# Altium PCB FisioV2.2.PcbDoc
Units mil, origin at the board's own origin, x right, y up, seen from the top; angles counter-clockwise.
Board outline 3896 x 2012 mil, 2 copper layers (Top Layer, Bottom Layer); 128 components, 115 nets, 510 pads, 76 vias.
Unrouted connection lines stored in the file: 5.
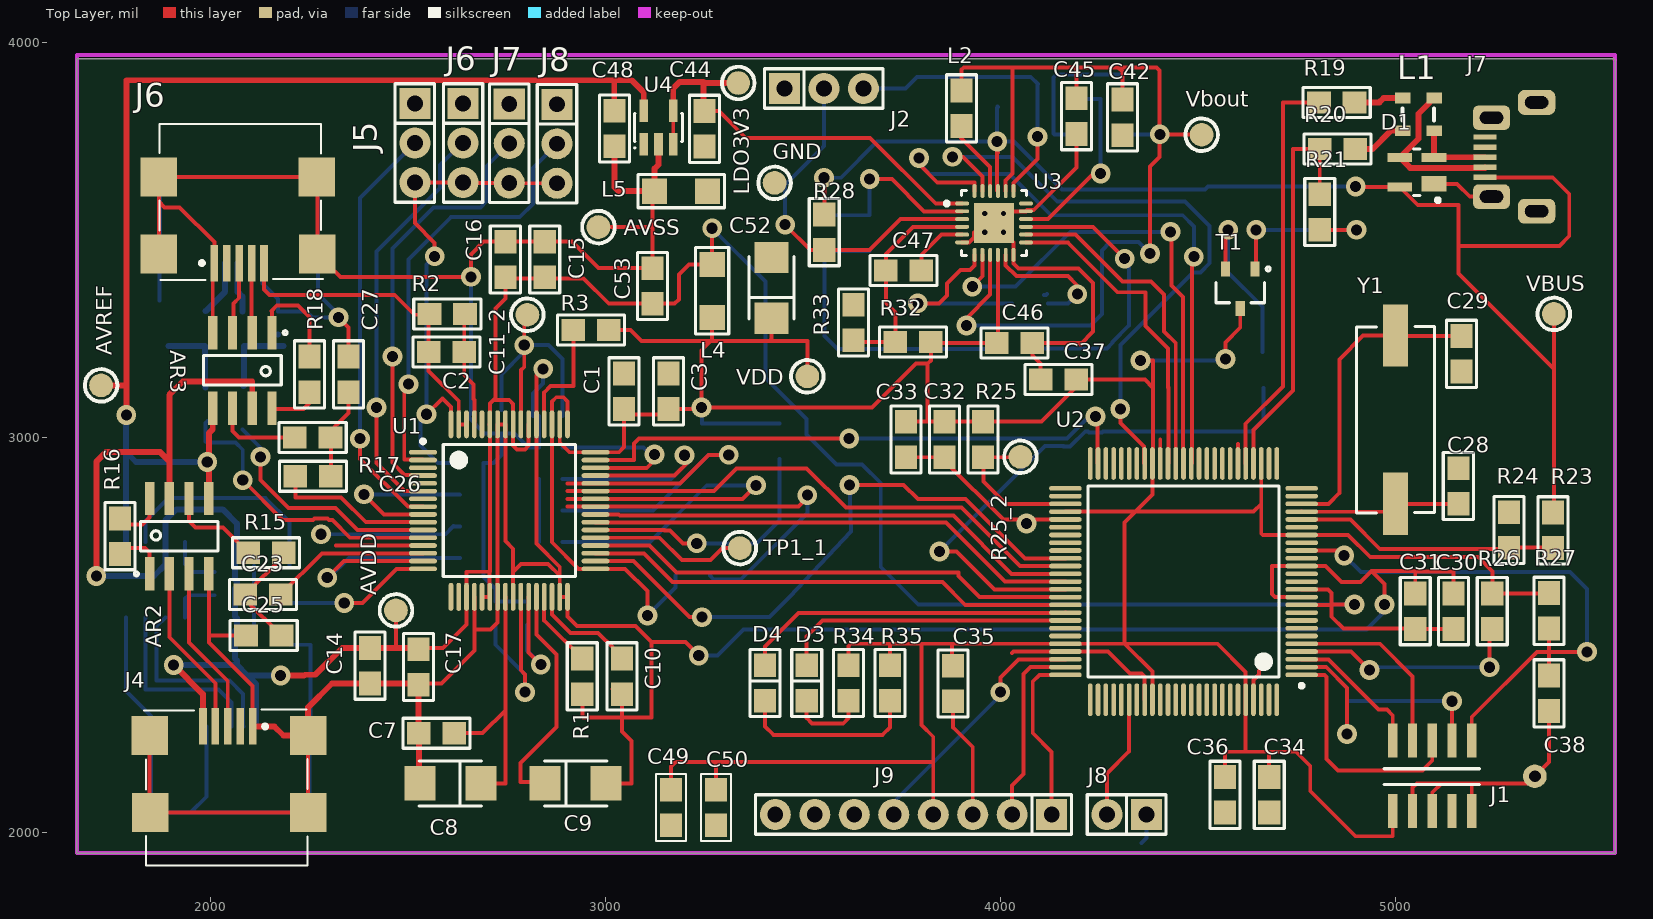
[diagram p0: Top Layer view]
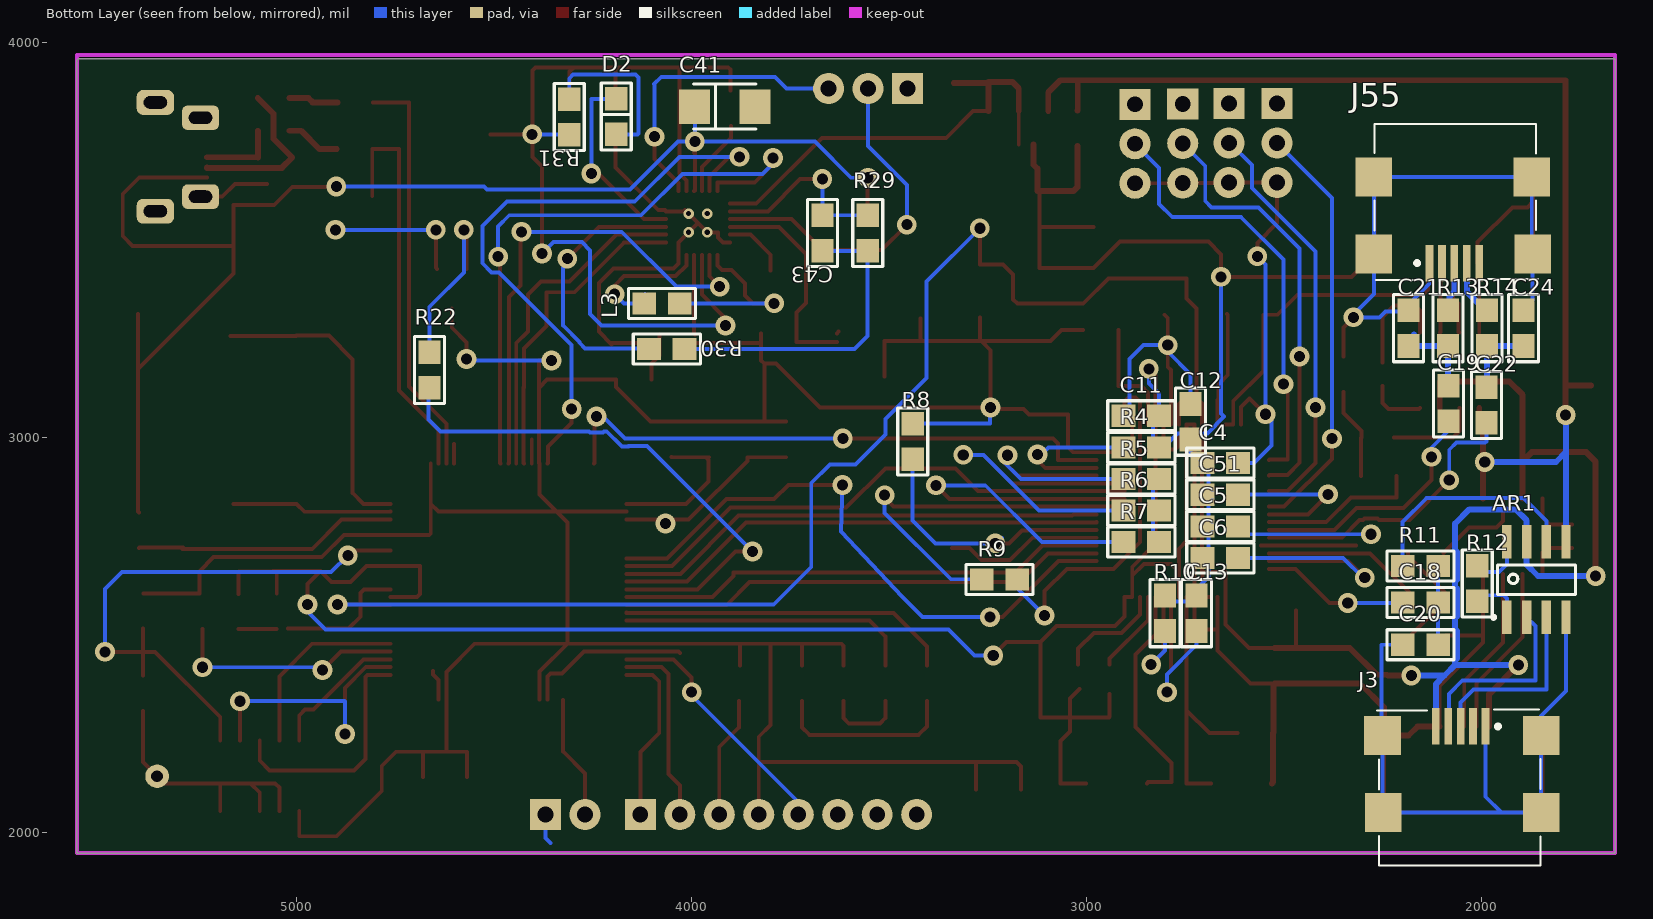
[diagram p1: Bottom Layer view, seen from below]

## Layer stack, top to bottom
Top Solder: solder mask 0.4, Solder Resist, Dk 3.5
Top Layer: signal copper 1.4
Dielectric1: dielectric 12.6, FR-4, Dk 4.8
Bottom Layer: signal copper 1.4
Bottom Solder: solder mask 0.4, Solder Resist, Dk 3.5

## Board outline
1661,1947 1661,3959 5554,3959 5557,3956 5557,1947

## Design rules (kind name [scope] priority, off if disabled: settings)
Clearance [All] p1: gap=10
ComponentClearance [All] p1: gap=0 collisioncheckmode=3 verticalgap=0 showdistances=FALSE
DiffPairsRouting [All] p1: maxlimit=10 minlimit=10 mostfreqgap=10 toplayer_minwidth=10 toplayer_maxwidth=15 toplayer_prefwidth=15 bottomlayer_minwidth=10 bottomlayer_maxwidth=15 bottomlayer_prefwidth=15 maxuncoupledlength=500
PolygonConnect [All] p1: connectstyle=Relief reliefconductorwidth=10 reliefentries=4 polygonreliefangle="90 Angle" airgapwidth=10
RoutingVias [All] p1: holewidth=28 width=50 viastyle="Through Hole" minholewidth=28 minwidth=50 maxholewidth=28 maxwidth=50
SilkToSolderMaskClearance SilkscreenOverComponentPads [IsPad] p1: minsilkscreentomaskgap=10 clearancetoexposedcopper=TRUE
SolderMaskExpansion [All] p1: expansion=4
Width [All] p1: maxlimit=30 minlimit=10 preferedwidth=15
27 further rules are at their usual default settings.

## Classes and differential pairs
component class TopSheet: J2 J3 J4 J6 J7 J8 J55
component class Supply: C28 C29 C30 C31 C32 C33 C34 C35 C36 C37 C38 J1 R26 R27 Y1
component class "Power Supply": AVDD AVREF AVSS C41 C42 C43 C44 C45 C46 C47 C48 C52 C53 D2 GND L2 L3 L4 L5 LDO3V3 R28 R29 R30 R31 R32 R33 TP4 TP5 TP6 TP7 TP8 TP9 TP10 TP11 U3 U4 Vbout VBUS VDD
component class Peripherials: D3 D4 R23 R24 R25 R25_2 R34 R35 TP3 U2
component class Microcontroller: D1 L1 R19 R20 R21 R22 T1
component class Bluetooth: C49 C50 J9
component class AFE: AR1 AR2 AR3 C18 C19 C20 C21 C22 C23 C24 C25 C26 C27 R11 R12 R13 R14 R15 R16 R17 R18
component class ADS: C1 C2 C3 C4 C5 C6 C7 C8 C9 C10 C11 C11_2 C12 C13 C14 C15 C16 C17 C51 J5 J6 J7 J8 R1 R2 R3 R4 R5 R6 R7 R8 R9 R10 TP1 TP1_1 TP2 U1
differential pair U: +U_P -U_N
differential pair US: +US_P -US_N
differential pair USB: +USB_P -USB_N

## Components (designator, comment, footprint, x,y, rotation, side; value= is the part's Value field where it differs from the comment)
AR1 "Op Amp" SOIC8 1860,2640 r90 bottom
AR2 "Op Amp" SOIC8 1920,2750 r90 top
AR3 "Op Amp" SOIC8 2080,3170 r270 top
AVDD "AVDD" PAD 2469,2562 r0 top (schematic designator TP9)
AVREF "VREF" PAD 1722,3132 r0 top (schematic designator TP8)
AVSS "AGND" PAD 2982,3533 r90 top (schematic designator TP11)
C1 "Capacitor" 0805 3047,3117 r90 top
C2 "Capacitor" 0805 2597,3217 r180 top
C3 "Capacitor" 0805 3159,3117 r90 top
C4 "Capacitor" 0805 2661,2935 r0 bottom
C5 "Capacitor" 0805 2661,2775 r180 bottom
C6 "Capacitor" 0805 2661,2695 r180 bottom
C7 "Capacitor" 0805 2572,2251 r0 top
C8 "CAPPOL" "1211 (3528)" 2607,2124 r180 top
C9 "CAPPOL" "1211 (3528)" 2924,2123.99 r0 top
C10 "Capacitor" 0805 3042,2395 r90 top
C11 "Capacitor" 0805 2861,3055 r0 bottom
C11_2 "VCAP3" PAD 2802,3311 r0 top (schematic designator TP2)
C12 "Capacitor" 0805 2736,3040 r90 bottom
C13 "Capacitor" 0805 2721,2555 r270 bottom
C14 "Capacitor" 0805 2403,2422 r270 top
C15 "Capacitor" 0805 2846,3451 r90 top
C16 "Capacitor" 0805 2746,3451 r90 top
C17 "Capacitor" 0805 2526,2419 r270 top
C18 "Capacitor" 0805 2154,2582 r0 bottom
C19 "Capacitor" 0805 2083,3086 r270 bottom
C20 "Capacitor" 0805 2154,2475 r0 bottom
C21 "Capacitor" 0805 2184,3277 r90 bottom
C22 "Capacitor" 0805 1987,3082 r270 bottom
C23 "Capacitor" 0805 2132,2602 r0 top
C24 "Capacitor" 0805 1893,3277 r90 bottom
C25 "Capacitor" 0805 2134,2498 r180 top
C26 "Capacitor" 0805 2259,2902 r180 top
C27 "Capacitor" 0805 2349,3160 r90 top
C28 "Capacitor" 0805 5160,2877 r270 top
C29 "Capacitor" 0805 5168,3212 r90 top
C30 "Capacitor" 0805 5148,2560 r90 top
C31 "Capacitor" 0805 5051,2560 r90 top
C32 "Capacitor" 0805 3858.5,2995 r270 top
C33 "Capacitor" 0805 3761,2995 r270 top
C34 "Capacitor" 0805 4681,2095 r270 top
C35 "Capacitor" 0805 3880,2377 r270 top
C36 "Capacitor" 0805 4569,2095 r270 top
C37 "Capacitor" 0805 4147,3147 r180 top
C38 "Capacitor" 0805 5390,2352 r270 top
C41 "CAPPOL" "1211 (3528)" 3916,3838 r180 bottom
C42 "Capacitor" 0805 4309,3811 r270 top
C43 "Capacitor" 0805 3669,3518 r270 bottom
C44 "Capacitor" 0805 3251,3782 r90 top
C45 "Capacitor" 0805 4193,3814 r90 top
C46 "Capacitor" 0805 4036,3239 r0 top
C47 "Capacitor" 0805 3755,3423 r180 top
C48 "Capacitor" 0805 3023,3783 r90 top
C49 "Capacitor" 0805 3166,2063 r270 top
C50 "Capacitor" 0805 3280,2063 r270 top
C51 "Capacitor" 0805 2661,2855 r180 bottom
C52 "CAPPOL" "1211 (3528)" 3420,3379 r90 top
C53 "Capacitor" 0805 3119,3384 r270 top
D1 "ESD Diode" SOT-143_M 5055,3672 r180 top
D2 "LED" LED0805 4191,3813 r90 bottom
D3 "LED" LED0805 3509.5,2378 r90 top
D4 "LED" LED0805 3404,2378 r90 top
GND "GND" PAD 3428,3645 r90 top (schematic designator TP10)
J1 "JTAG" JTAG_CON 5172,2157 r90 top
J2 "CON3" SIP3 3553,3884 r0 top
J3 "usb" USB_Mini_TipoB 2070,2300 r270 bottom
J4 "usb" USB_Mini_TipoB 2025,2300 r270 top
J5 "JUMPER" JUMPER3 2517,3746 r270 top
J6 "JUMPER" JUMPER3 2639,3746 r270 top
J6 "usb" USB_Mini_TipoB 2090,3410 r90 top
J7 "JUMPER" JUMPER3 2756,3745 r270 top
J7 "USB" USB_Micro-B_USB 5448,3710 r90 top
J8 "JUMPER" JUMPER3 2877,3744 r270 top
J8 "CON2" SIP2 4320,2045 r180 top
J9 "Expansion" SIP8 4130,2045 r180 top
J55 "usb" USB_Mini_TipoB 2050,3410 r90 bottom
L1 "Choke Coil" 1206-4 5059,3819 r90 top
L2 "Inductor" 0805 3902,3834 r90 top
L3 "Inductor" 0805 4075,3339 r0 bottom
L4 "Inductor Iron" 1206 3270,3371 r90 top
L5 "Inductor Iron" 1206 3191,3624 r0 top
LDO3V3 "LDO" PAD 3336,3898 r0 top (schematic designator TP6)
R1 "Resistor" 0805 2941,2395 r90 top
R2 "Resistor" 0805 2599,3313 r0 top
R3 "Resistor" 0805 2963,3272 r0 top
R4 "Resistor" 0805 2861,2975 r180 bottom
R5 "Resistor" 0805 2861,2895 r180 bottom
R6 "Resistor" 0805 2861,2815 r180 bottom
R7 "Resistor" 0805 2861,2735 r180 bottom
R8 "Resistor" 0805 3440,2990 r90 bottom
R9 "Resistor" 0805 3220,2640 r180 bottom
R10 "Resistor" 0805 2801,2555 r270 bottom
R11 "Resistor" 0805 2154,2675 r180 bottom
R12 "Resistor" 0805 2010,2630 r90 bottom
R13 "Resistor" 0805 2084,3277 r270 bottom
R14 "Resistor" 0805 1985,3277 r270 bottom
R15 "Resistor" 0805 2140,2708 r0 top
R16 "Resistor" 0805 1770,2750 r90 top
R17 "Resistor" 0805 2258,3000 r0 top
R18 "Resistor" 0805 2250,3160 r270 top
R19 "Resistor" 0805 4852,3849 r180 top
R20 "Resistor" 0805 4854,3731 r180 top
R21 "Resistor" 0805 4809,3571 r90 top
R22 "Resistor" 0805 4664,3171 r270 bottom
R23 "Resistor" 0805 5400,2765 r90 top
R24 "Resistor" 0805 5288,2766 r270 top
R25 "Resistor" 0805 3956,2995 r270 top
R25_2 "TP" PAD 4051,2951 r180 top (schematic designator TP3)
R26 "Resistor" 0805 5246,2560 r90 top
R27 "Resistor" 0805 5390,2561 r90 top
R28 "Resistor" 0805 3554,3520 r270 top
R29 "Resistor" 0805 3554,3518 r90 bottom
R30 "Resistor" 0805 4063,3224 r180 bottom
R31 "Resistor" 0805 4310,3812 r270 bottom
R32 "Resistor" 0805 3779,3242 r180 top
R33 "Resistor" 0805 3628,3291 r90 top
R34 "Resistor" 0805 3615,2378 r90 top
R35 "Resistor" 0805 3720.5,2378 r90 top
T1 "PNP" SOT23 4645,3427 r180 top
TP1_1 "CLK" PAD 3340,2720 r0 top (schematic designator TP1)
U1 "ADS1298" PAG64 2756,2820 r0 top
U2 "LPC176x" QFP100 4464,2635 r180 top
U3 "Battery Charger" QFN24 3984,3543.47 r0 top
U4 "Voltage Reference" SOT23-5 3134,3785 r0 top
Vbout "VB" PAD 4510,3767 r0 top (schematic designator TP5)
VBUS "VBUS" PAD 5402,3313 r0 top (schematic designator TP4)
VDD "VDD" PAD 3511,3155 r0 top (schematic designator TP7)
Y1 "12MHz" "Cristal SMD" 5001,3046 r270 top

## Footprints (in the part's own frame and the unit in brackets; to place one, negate y for a bottom-side part, rotate by r counter-clockwise, add the part's x,y. Pads: shape width x height; smd on the part's side, far side on the other; paste and mask are expansions set on the pad)
0805 [mil] "Pasivo 0805"
  rect 60x56 smd: 1(-45,0) 2(45,0)
  silkscreen extent -85,-38 85,38, body extent -40,-25 39,25, height 15
1206 [mil] "Pasivo 1206"
  rect 64x64 smd: 1(-67,0) 2(67,0)
  silkscreen extent -109,-42 110,42, body extent -62,-32 63,31, height 20
1206-4 [mil] "1206 4 pin"
  rect 27.56x39.37 smd: 1(-42,-40) 2(-42,40) 3(41,40) 4(41,-40)
  silkscreen extent -16,-40 15,40, body extent -43,-63 31,63, height 45
"1211 (3528)" [mm] "3528"
  rect 2x2.2 smd: 1(-1.956,0) 2(1.956,0)
  silkscreen extent -2.01,-1.45 2.01,1.45, body extent -1.85,-1.46 1.85,1.47, height 2.03
"Cristal SMD" [mil]
  rect 157.48x64 smd: 1(-212,0) 2(214,0)
  silkscreen extent -235,-98 237,98, body extent -251,-95 253,95, height 169
JTAG_CON [mm]
  rect 2.2x0.6 smd: 1(-2.616,4.521) 2(1.913,4.521) 3(-2.616,3.251) 4(1.913,3.251) 5(-2.616,1.981) 6(1.913,1.981) 7(-2.616,0.711) 8(1.913,0.711) 9(-2.616,-0.559) 10(1.913,-0.559)
  silkscreen extent -0.91,-1.04 0.1,5.08, body extent -3.16,-1.17 2.34,5.18, height 4.5
JUMPER3 [mm]
  rect 2x2 hole 1.016: 1(-2.54,0)
  round 2 hole 1.016: 2(0,0) 3(2.54,0)
  silkscreen extent -3.81,-1.27 3.81,1.27, body extent -3.81,-1.3 3.81,1.27, height 16.15
LED0805 [mil] "LED SMD 0805"
  rect 60x56 smd: 1(-45,0) 2(45,0)
  silkscreen extent -85,-38 85,38, body extent -41,-18 41,18, height 33
PAD [mil] "Test Point Pad"
  round 60 smd: 1(0,0)
  silkscreen extent -41,-41 41,41
PAG64 [mm]
  oval 1.8x0.3 smd: 1(-5.55,3.623) 2(-5.55,3.123) 3(-5.55,2.623) 4(-5.55,2.123) 5(-5.55,1.623) 6(-5.55,1.123) 7(-5.55,0.623) 8(-5.55,0.123) 9(-5.55,-0.377) 10(-5.55,-0.877) 11(-5.55,-1.377) 12(-5.55,-1.877) 13(-5.55,-2.377) 14(-5.55,-2.877) 15(-5.55,-3.377) 16(-5.55,-3.877) 33(5.55,-3.877) 34(5.55,-3.377) 35(5.55,-2.877) 36(5.55,-2.377) 37(5.55,-1.877) 38(5.55,-1.377) 39(5.55,-0.877) 40(5.55,-0.377) 41(5.55,0.123) 42(5.55,0.623) 43(5.55,1.123) 44(5.55,1.623) 45(5.55,2.123) 46(5.55,2.623) 47(5.55,3.123) 48(5.55,3.623)
  oval 0.3x1.8 smd: 17(-3.75,-5.677) 18(-3.25,-5.677) 19(-2.75,-5.677) 20(-2.25,-5.677) 21(-1.75,-5.677) 22(-1.25,-5.677) 23(-0.75,-5.677) 24(-0.25,-5.677) 25(0.25,-5.677) 26(0.75,-5.677) 27(1.25,-5.677) 28(1.75,-5.677) 29(2.25,-5.677) 30(2.75,-5.677) 31(3.25,-5.677) 32(3.75,-5.677) 49(3.75,5.423) 50(3.25,5.423) 51(2.75,5.423) 52(2.25,5.423) 53(1.75,5.423) 54(1.25,5.423) 55(0.75,5.423) 56(0.25,5.423) 57(-0.25,5.423) 58(-0.75,5.423) 59(-1.25,5.423) 60(-1.75,5.423) 61(-2.25,5.423) 62(-2.75,5.423) 63(-3.25,5.423) 64(-3.75,5.423)
  silkscreen extent -5.67,-4.38 4.25,4.45, body extent -5.73,-5.92 5.84,5.66, height 1
QFN24 [mm] "24-Pin Plastic Quad Flat No-Lead 0.5 mm Pitch, IPC Low Density"
  oval 0.9x0.25 smd: 1(-2.05,1.25) 2(-2.05,0.75) 3(-2.05,0.25) 4(-2.05,-0.25) 5(-2.05,-0.75) 6(-2.05,-1.25) 13(2.05,-1.25) 14(2.05,-0.75) 15(2.05,-0.25) 16(2.05,0.25) 17(2.05,0.75) 18(2.05,1.25)
  oval 0.25x0.9 smd: 7(-1.25,-2.05) 8(-0.75,-2.05) 9(-0.25,-2.05) 10(0.25,-2.05) 11(0.75,-2.05) 12(1.25,-2.05) 19(1.25,2.05) 20(0.75,2.05) 21(0.25,2.05) 22(-0.25,2.05) 23(-0.75,2.05) 24(-1.25,2.05)
  rect 2.6x2.6 smd: 25(0,0)
  silkscreen extent -3.17,-2.1 2.1,2.1, body extent -2.07,-2.07 2.07,2.07, height 1
QFP100 [mm] "Thin QFP, 100-Leads, Body 14x14mm, Pitch 0.5mm, IPC Low Density"
  oval 2.1x0.3 smd: 1(-7.6,6) 2(-7.6,5.5) 3(-7.6,5) 4(-7.6,4.5) 5(-7.6,4) 6(-7.6,3.5) 7(-7.6,3) 8(-7.6,2.5) 9(-7.6,2) 10(-7.6,1.5) 11(-7.6,1) 12(-7.6,0.5) 13(-7.6,0) 14(-7.6,-0.5) 15(-7.6,-1) 16(-7.6,-1.5) 17(-7.6,-2) 18(-7.6,-2.5) 19(-7.6,-3) 20(-7.6,-3.5) 21(-7.6,-4) 22(-7.6,-4.5) 23(-7.6,-5) 24(-7.6,-5.5) 25(-7.6,-6) 51(7.6,-6) 52(7.6,-5.5) 53(7.6,-5) 54(7.6,-4.5) 55(7.6,-4) 56(7.6,-3.5) 57(7.6,-3) 58(7.6,-2.5) 59(7.6,-2) 60(7.6,-1.5) 61(7.6,-1) 62(7.6,-0.5) 63(7.6,0) 64(7.6,0.5) 65(7.6,1) 66(7.6,1.5) 67(7.6,2) 68(7.6,2.5) 69(7.6,3) 70(7.6,3.5) 71(7.6,4) 72(7.6,4.5) 73(7.6,5) 74(7.6,5.5) 75(7.6,6)
  oval 0.3x2.1 smd: 26(-6,-7.6) 27(-5.5,-7.6) 28(-5,-7.6) 29(-4.5,-7.6) 30(-4,-7.6) 31(-3.5,-7.6) 32(-3,-7.6) 33(-2.5,-7.6) 34(-2,-7.6) 35(-1.5,-7.6) 36(-1,-7.6) 37(-0.5,-7.6) 38(0,-7.6) 39(0.5,-7.6) 40(1,-7.6) 41(1.5,-7.6) 42(2,-7.6) 43(2.5,-7.6) 44(3,-7.6) 45(3.5,-7.6) 46(4,-7.6) 47(4.5,-7.6) 48(5,-7.6) 49(5.5,-7.6) 50(6,-7.6) 76(6,7.6) 77(5.5,7.6) 78(5,7.6) 79(4.5,7.6) 80(4,7.6) 81(3.5,7.6) 82(3,7.6) 83(2.5,7.6) 84(2,7.6) 85(1.5,7.6) 86(1,7.6) 87(0.5,7.6) 88(0,7.6) 89(-0.5,7.6) 90(-1,7.6) 91(-1.5,7.6) 92(-2,7.6) 93(-2.5,7.6) 94(-3,7.6) 95(-3.5,7.6) 96(-4,7.6) 97(-4.5,7.6) 98(-5,7.6) 99(-5.5,7.6) 100(-6,7.6)
  silkscreen extent -7.73,-6.15 6.15,6.82, body extent -8.01,-8.01 8.01,8.01, height 1.1
SIP2 [mm]
  rect 2x2 hole 1.016: 1(-1.27,0)
  round 2 hole 1.016: 2(1.27,0)
  silkscreen extent -2.54,-1.27 2.54,1.27, body extent -2.54,-1.27 2.54,1.27, height 8.29
SIP3 [mm]
  rect 2x2 hole 1.016: 1(-2.54,0)
  round 2 hole 1.016: 2(0,0) 3(2.54,0)
  silkscreen extent -3.81,-1.27 3.81,1.27, body extent -3.81,-1.3 3.81,1.24, height 8.38
SIP8 [mm]
  rect 2x2 hole 1.016: 1(0,0)
  round 2 hole 1.016: 2(2.54,0) 3(5.08,0) 4(7.62,0) 5(10.16,0) 6(12.7,0) 7(15.24,0) 8(17.78,0)
  silkscreen extent -1.27,-1.27 19.05,1.27, body extent -1.27,-1.27 19.05,1.27, height 8.38
SOIC8 [mm]
  rect 2.15x0.6 smd: 1(-2.425,1.905) 2(-2.425,0.635) 3(-2.425,-0.635) 4(-2.425,-1.905) 5(2.425,-1.905) 6(2.425,-0.635) 7(2.425,0.635) 8(2.425,1.905)
  silkscreen extent -2.55,-2.5 0.95,2.88, body extent -3.01,-2.51 3.01,2.49, height 1.75
SOT23 [mm]
  rect 0.6x0.95 smd: 1(0,0) 2(1.9,0) 3(0.95,2.55)
  silkscreen extent -0.98,-0.12 2.5,2.17, body extent -0.53,-0.25 2.47,2.88, height 1
SOT23-5 [mm] "SOT-23/SC-74A; 5 Leads; Body 3 x 3 mm, inc. leads (LxW max)"
  rect 0.55x1.45 smd: 1(-0.95,-1.075) 2(0,-1.075) 3(0.95,-1.075) 4(0.95,1.075) 5(-0.95,1.075)
  silkscreen extent -1.57,-1.35 1.55,0.9, body extent -1.46,-1.17 1.46,1.17, height 1
SOT-143_M [mm] "SOT143, 4-Leads, Body 2.9x1.3mm, Pitch 1.9mm, Lead Span 2.5mm, IPC Low Density"
  rect 1.6x1 smd: 1(-1.1,0.75)
  rect 1.6x0.6 smd: 2(-1.1,-0.95) 3(1.1,-0.95) 4(1.1,0.95)
  silkscreen extent -1.48,-1.5 0.2,1.92, body extent -1.18,-1.45 1.18,1.45, height 1.22
USB_Micro-B_USB [mm]
  round 0.508 on Mech15: 0(0,0)
  rrect20% 0.35x1.5 smd: 1(-1.3,5.6) 2(-0.65,5.6) 3(0,5.6) 4(0.65,5.6) 5(1.3,5.6)
  rrect50% 1.6x2.4 hole 0.8 slot 1.5 at 90 deg: 6(-3.475,2.275) 6(-2.54,5.182) 6(2.54,5.182) 6(3.525,2.275)
  body extent -4.02,-0.3 4.02,5.3, height 2.7
USB_Mini_TipoB [mm] "USB MINI SMD TIPO B"
  rect 2.35x0.5 smd: 1(0.811,-1.143) 2(0.811,-0.343) 3(0.811,0.457) 4(0.812,2.057) 7(0.811,1.257)
  rect 2.5x2.35 smd: 5(1.397,5.632) 5(6.35,5.632) 6(1.397,-4.572) 6(6.35,-4.521)
  silkscreen extent -0.28,-4.93 9.75,5.59, body extent 0.25,-4.49 9.45,5.41, height 4.17

## Part data
AR1 AR2 AR3: "FET Operational Amplifier"
AVDD AVREF AVSS C11_2 GND LDO3V3 R25_2 TP1_1 Vbout VBUS VDD: library part "Test Point", "Test Point"
D1: "ESD Protection"
J1: library part CON5*2
J3 J4 J6 J55: library part USB_Mini
J5 J6 J7 J8: library part JUMPER3
J9: library part CON5
L4 L5: "Magnetic-Core Inductor"
U2: library part LPC_17x, "LPC176x Microcontroller"
U3: library part LT3566
Y1: library part XTAL, "Crystal Oscillator"

## Free pads (board coordinates)
  round 60 hole 30: 2(5354,2142)

## Via types
v1: diameter 50, hole 28, Top Layer to Bottom Layer, 72 vias
v2: diameter 25.98, hole 12.99, Top Layer to Bottom Layer, tented top, 4 vias

## Nets (pads, with @x,y where several pads share a name; then routed paths per layer and width w, separated by ;. In a path a pad name is that pad's centre, name@x,y a point inside that pad or via, vN(x,y) a via of type N, cw(c..) or ccw(c..) an arc to the next point about the centre after c; other vN are vias at no path point)
ADS_PWD: U1.35 U2.66 | length 1244.5
  Top Layer w10: U1.35 3097.27,2706.73 3170,2634 3853,2634 3911.06,2575.94 U2.66
ADS_RST: U1.36 U2.65 | length 1249.7
  Top Layer w10: U1.36 3111.58,2726.42 3180,2658 3894,2658 3894,2649 3947.37,2595.63 U2.65
AVDD: AR1.7 AR2.7 AR3.7 AVDD.1 C14.1 C15.1 C16.1 C17.1 C30.1 C31.1 C53.2 J3.1 J4.1 L4.2 U1.19 U1.21 U1.22 U1.54 U1.56 U1.59 U2.10 U2.12 | length 8025.8
  Top Layer w10: 2468,2467 2469,2468 AVDD.1 ; C17.1@2523,2467 2588,2467 2647.73,2526.73 U1.19 2647.73,2660 2706.79,2660 U1.59 ; U1.21 U1.22 2706,2597.28 2706,2660 ; U1.59@2706,3032.72 U1.59 ; U1.56@2766,3010.16 2765.84,3010 2765.84,2980.16 2776,2970 2796,2970 2805.21,2979.21 U1.54 ; U1.56@2766,3033.5 2766,3085 2756,3095 2716,3095 ; v1@3272,3532 v1(3270,3530) L4.2 3211,3438 3186,3413 3186,3350 3175,3339 C53.2 3008,3339 2944,3403 2746,3403 2746,3352 2721,3327 2721,3100 2716,3095 ; U2.10 4838.06,2575.94 ; U2.12 4829.69,2615.32 4839,2606 4839,2576.89 ; v1(4897,2577) 4839.11,2577 4839,2576.89 ; 5022,2516 4869,2516 4839,2546 4839,2575 4838.06,2575.94 ; C31.1 C30.1 ; U1.59 2706.79,3085.79 2716,3095 ; 4838.06,2575.94 4839,2576.89
  Top Layer w15: v1(1710,2649) 1710,2939 1734,2963 1872,2963 1895,2940 ; AR2.7 1895,2940 ; v1(1906,2424) 1980.01,2349.99 J4.1 ; AR3.7 2105,3142 1929,3142 1895,3108 1895,2940 ; v1(2177,2397) 2236.37,2397 2238.37,2399 2265,2399 2333,2467 C14.1 2468,2467 C17.1@2523,2467
  Bottom Layer w10: v1(3270,3530) 3405,3395 3405,3151 3509,3047 3509,3008 3585,2932 3650,2932 3697,2885 3697,2672 3792,2577 v1(4897,2577)
  Bottom Layer w15: v1(1710,2649) 1856,2649 1885,2678 AR1.7 1885,2790 1913,2818 2030,2818 2066,2782 2066,2714.75 2061.5,2710.25 2061.5,2639.75 2066,2635.25 2066,2621.75 2061.5,2617.25 2061.5,2546.75 2066,2542.25 2066,2514.75 2061.5,2510.25 2061.5,2439.75 2066,2435.25 2066,2424 ; v1(1906,2424) 2066,2424 ; J3.1 2114.99,2375.01 2093,2397 ; v1(2177,2397) 2093,2397 ; 2066,2424 2093,2397
AVREF: AR1.5 AR2.5 AR3.5 AVREF.1 C48.2 U4.5 | length 3131.2
  Top Layer w15: AVREF.1 1785,3132 1786,3131 ; v1(1786,3057) 1786,3131 ; AR2.5 1995,3011 2005,3021 AR3.5 ; C48.2 3022,3829 3022,3905 ; U4.5 3096.6,3874.4 3066,3905 3022,3905 ; 1786,3131 1786,3905 3022,3905